# Altium PCB HW_RV_TOUCH_R1M1.PcbDoc (part 1 of 5) (continued)
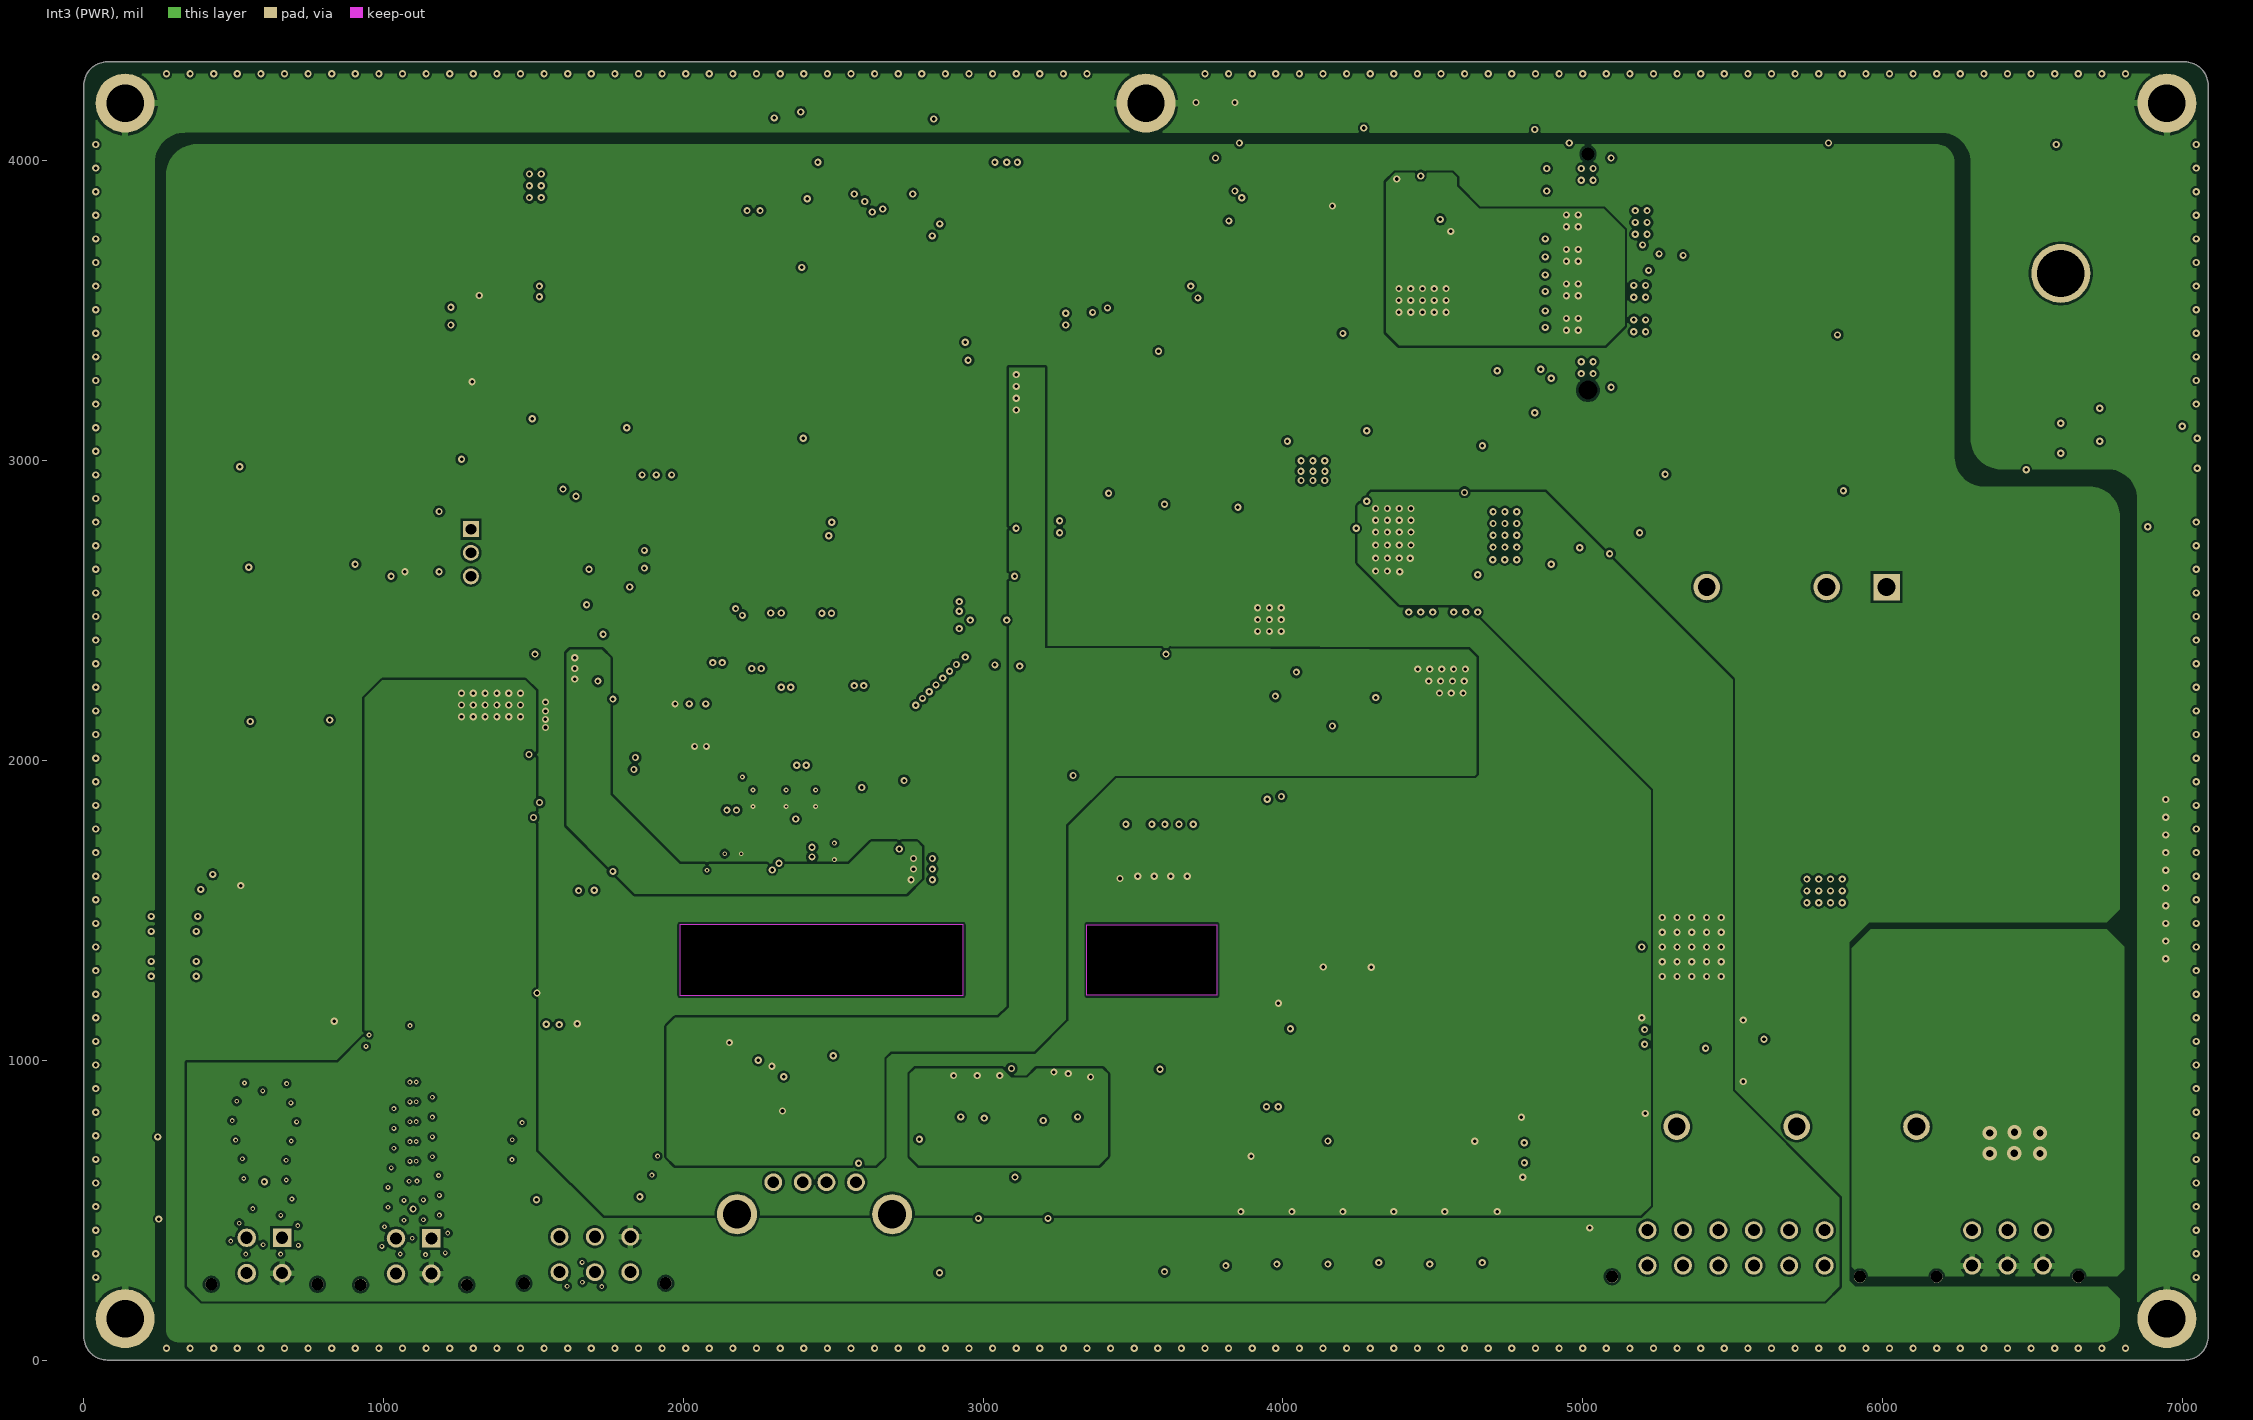
[diagram p4: Int3 (PWR)]
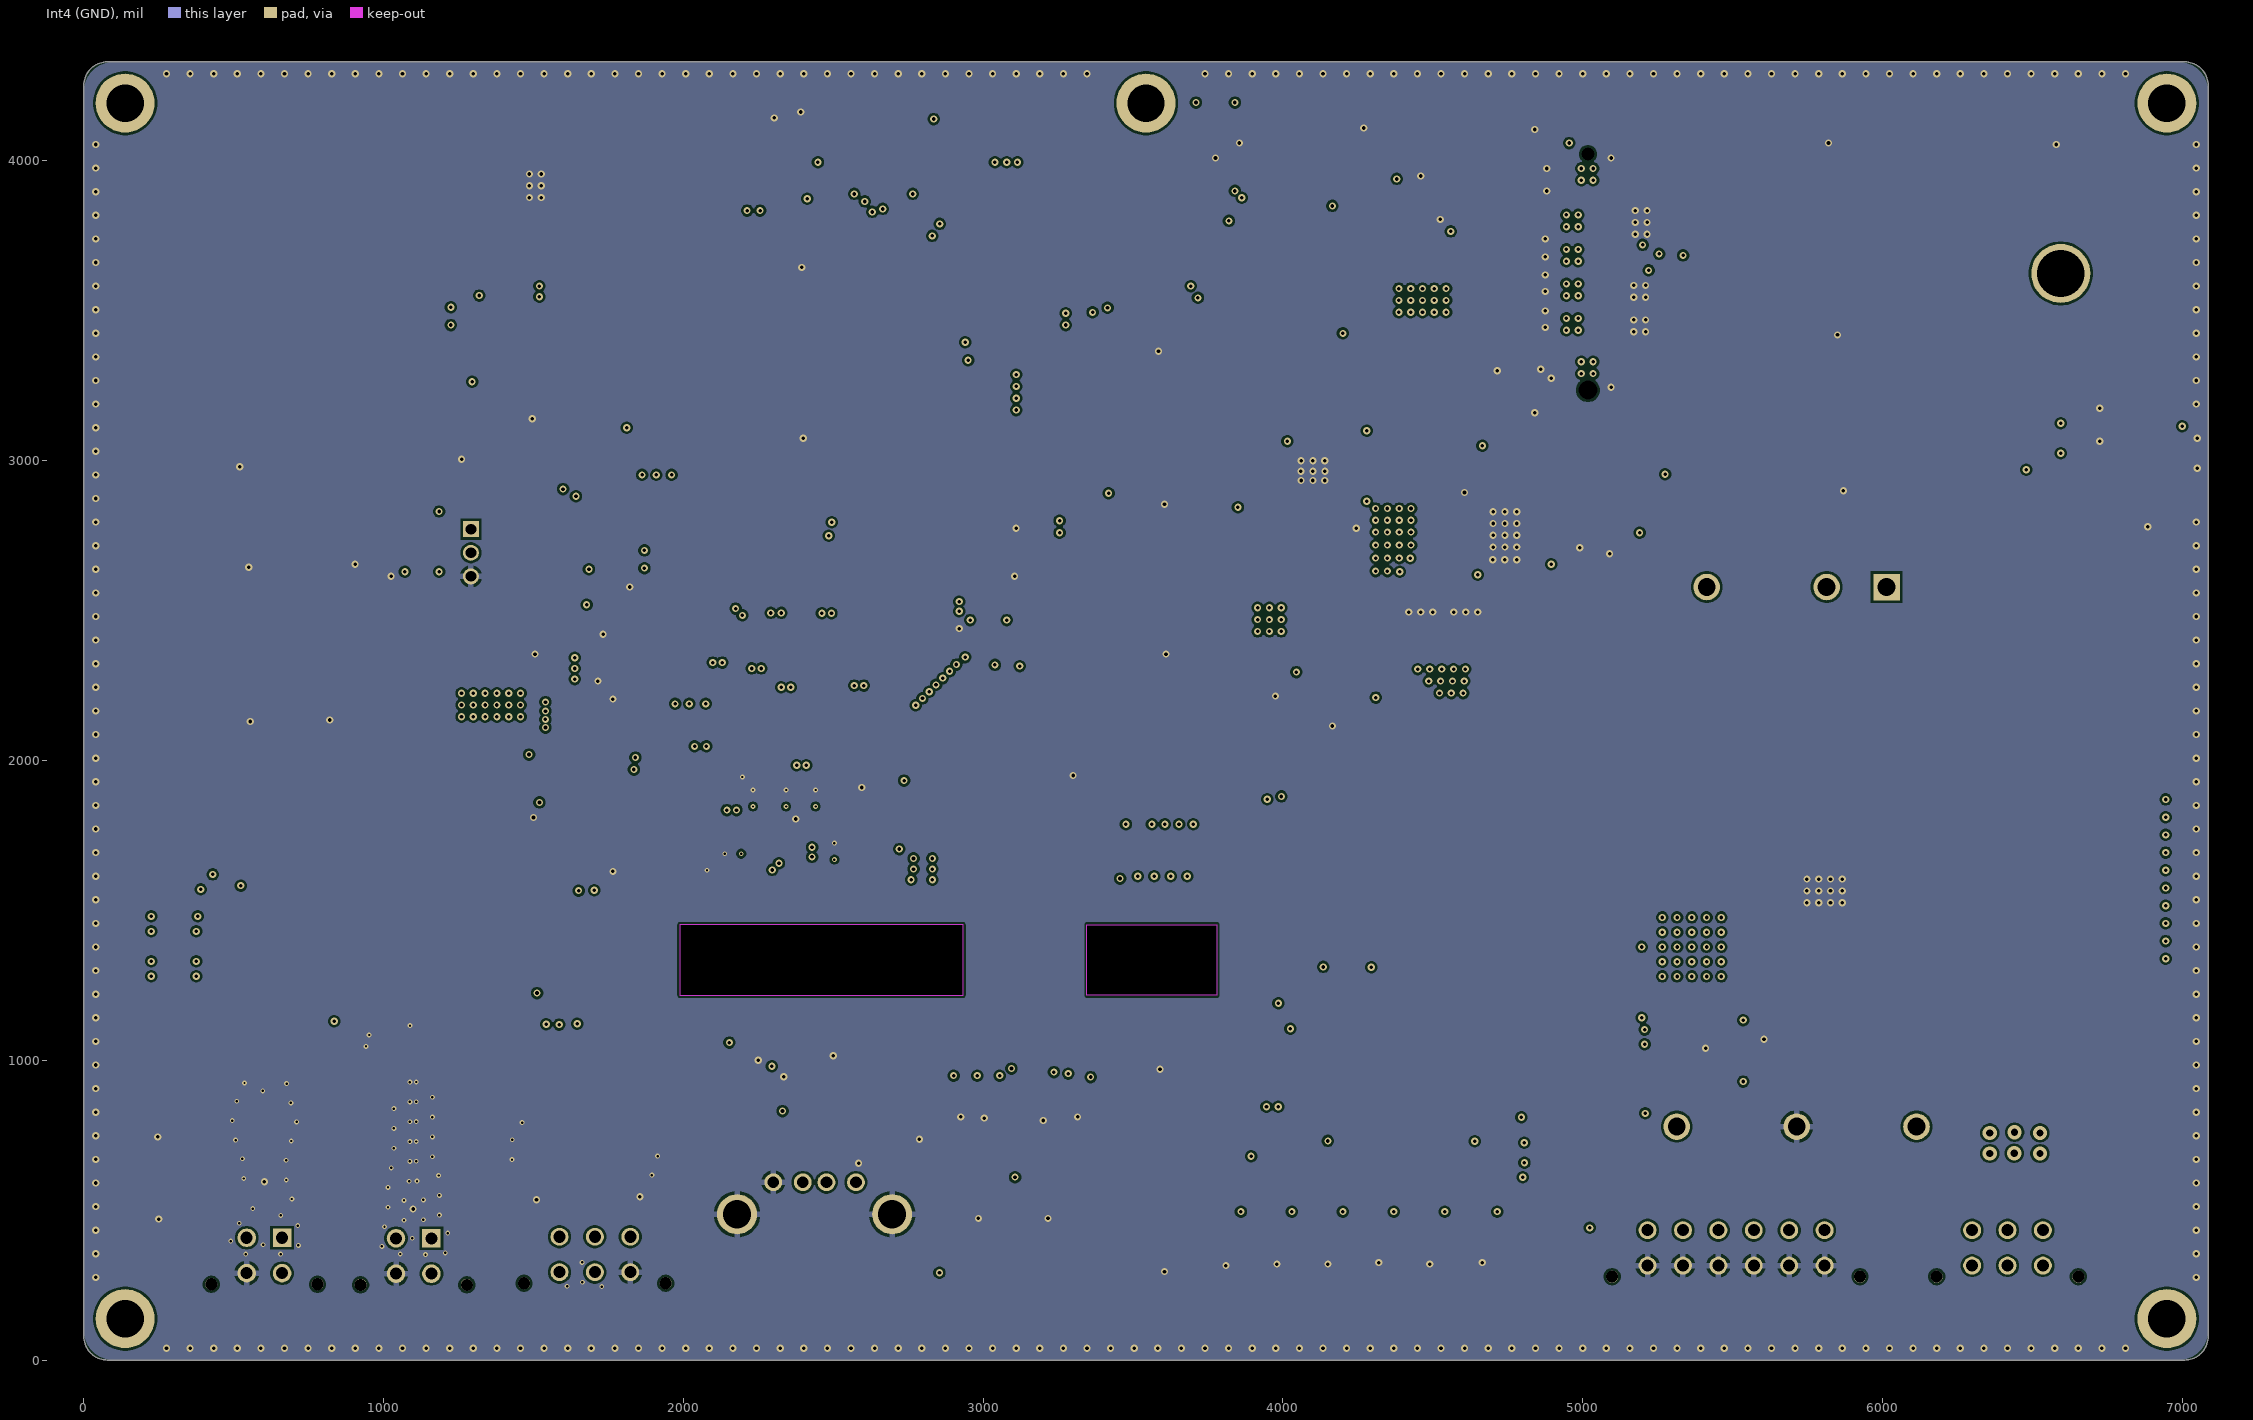
[diagram p5: Int4 (GND)]

## Layer stack, top to bottom
Top Solder: solder mask 1, SM-001, Dk 4
Top Layer: signal copper 1.378
Dielectric 1: prepreg 3.221, PP-017, Dk 3.91
Int1 (GND): signal copper 1.378
Dielectric 2: core 28.74, PP-006, Dk 4.6
Int2 (Sig): signal copper 1.378
Dielectric 3: core 5.126, Core-039, Dk 4.16
Int3 (PWR): signal copper 1.378
Dielectric 4: core 28.74, PP-006, Dk 4.6
Int4 (GND): signal copper 1.378
Dielectric 5: prepreg 3.221, PP-017, Dk 3.91
Bottom Layer: signal copper 1.378
Bottom Solder: solder mask 1, SM-001, Dk 4

## Board outline
78.74,0 cw(c78.74,78.74) 0,78.74 0,4251.97 cw(c78.74,4251.97) 78.74,4330.71 7007.87,4330.71 cw(c7007.88,4251.97) 7086.61,4251.97 7086.61,78.74 cw(c7007.87,78.74) 7007.87,0
cut-out: 3346.46,1216.54 3346.46,1452.76 3779.53,1452.76 3779.53,1216.54
cut-out: 1988.19,1216.54 2933.07,1216.54 2933.07,1452.76 1988.19,1452.76

## Design rules (kind name [scope] priority, off if disabled: settings)
Clearance [All] p1: gap=8 ignorepadtopadclearanceinfootprint=FALSE except(0.04: Text-Text Text-Hole; 4: Arc-Arc Arc-Track Arc-SMDPad Arc-THPad Arc-Via Arc-Text Arc-Hole Track-Track Track-SMDPad Track-THPad Track-Via Track-Text Track-Hole SMDPad-SMDPad SMDPad-THPad SMDPad-Via SMDPad-Text SMDPad-Hole; 20: Arc-Fill Arc-Poly Arc-Region Track-Fill Track-Poly Track-Region)
DiffPairsRouting DiffPair_90DiffPairsRouting [InDifferentialPairClass('ZDIFF90')] p1: maxlimit=5.1 minlimit=5.1 mostfreqgap=5.1 toplayer_minwidth=4.7 toplayer_maxwidth=4.7 toplayer_prefwidth=4.7 midlayer1_minwidth=4.7 midlayer1_maxwidth=4.7 midlayer1_prefwidth=4.7 midlayer2_minwidth=4.7 midlayer2_maxwidth=4.7 midlayer2_prefwidth=4.7 midlayer3_minwidth=4.7 midlayer3_maxwidth=4.7 midlayer3_prefwidth=4.7 midlayer4_minwidth=4.7 midlayer4_maxwidth=4.7 midlayer4_prefwidth=4.7 bottomlayer_minwidth=4.7 bottomlayer_maxwidth=4.7 bottomlayer_prefwidth=4.7 impedanceprofiledriven=TRUE impedanceprofileid={32D849D4-4BF1-459E-901E-6E5A1D867C2A} impedanceprofilevalue=90.000000 maxuncoupledlength=500
DiffPairsRouting DiffPair_100DiffPairsRouting [InDifferentialPairClass('ZDIFF100')] p2: maxlimit=8.6 minlimit=8.6 mostfreqgap=8.6 toplayer_minwidth=4.4 toplayer_maxwidth=4.4 toplayer_prefwidth=4.4 midlayer1_minwidth=4.4 midlayer1_maxwidth=4.4 midlayer1_prefwidth=4.4 midlayer2_minwidth=4.4 midlayer2_maxwidth=4.4 midlayer2_prefwidth=4.4 midlayer3_minwidth=4.4 midlayer3_maxwidth=4.4 midlayer3_prefwidth=4.4 midlayer4_minwidth=4.4 midlayer4_maxwidth=4.4 midlayer4_prefwidth=4.4 bottomlayer_minwidth=4.4 bottomlayer_maxwidth=4.4 bottomlayer_prefwidth=4.4 impedanceprofiledriven=TRUE impedanceprofileid={860E676F-E795-4B15-85AA-D3B7EB854A93} impedanceprofilevalue=100.000000 maxuncoupledlength=500
DiffPairsRouting DiffPair_120DiffPairsRouting [InDifferentialPairClass('ZDIFF120')] p3: maxlimit=20 minlimit=20 mostfreqgap=20 toplayer_minwidth=4 toplayer_maxwidth=4 toplayer_prefwidth=4 midlayer1_minwidth=4 midlayer1_maxwidth=4 midlayer1_prefwidth=4 midlayer2_minwidth=4 midlayer2_maxwidth=4 midlayer2_prefwidth=4 midlayer3_minwidth=4 midlayer3_maxwidth=4 midlayer3_prefwidth=4 midlayer4_minwidth=4 midlayer4_maxwidth=4 midlayer4_prefwidth=4 bottomlayer_minwidth=4 bottomlayer_maxwidth=4 bottomlayer_prefwidth=4 impedanceprofiledriven=TRUE impedanceprofileid={5FB246FD-1FF2-4CBD-8695-EAA331266947} impedanceprofilevalue=120.000000 maxuncoupledlength=500
HoleSize [All] p1: absolutevalues=TRUE maxlimit=157.48 minlimit=1 maxpercent=80.000 minpercent=20.000
HoleToHoleClearance [All] p1: gap=8.07 allowstackedmicrovias=TRUE
MatchedLengths SD_CARD_Lenght_Match [InNetClass('SD_CARD')] p1: tolerance=50 checknetsindiffpair=FALSE checkdiffpairvsdiffpair=TRUE checkxsignals=TRUE checkothers=TRUE
MatchedLengths "Schematic Matched Net Lengths_2" [InNet('RST1')] p2: tolerance=20 checknetsindiffpair=FALSE checkdiffpairvsdiffpair=TRUE checkxsignals=TRUE checkothers=TRUE
MatchedLengths "Schematic Matched Net Lengths_1" [InNet('DAT1')] p3: tolerance=20 checknetsindiffpair=FALSE checkdiffpairvsdiffpair=TRUE checkxsignals=TRUE checkothers=TRUE
MatchedLengths "Schematic Matched Net Lengths" [InNet('CLK1')] p4: tolerance=20 checknetsindiffpair=FALSE checkdiffpairvsdiffpair=TRUE checkxsignals=TRUE checkothers=TRUE
MatchedLengths [InNetClass('SIM')] p5: tolerance=20 checknetsindiffpair=FALSE checkdiffpairvsdiffpair=TRUE checkxsignals=TRUE checkothers=TRUE
MatchedLengths DiffPair_90MatchedLengths [InDifferentialPairClass('ZDIFF90')] p6: tolerance=3600 checknetsindiffpair=FALSE checkdiffpairvsdiffpair=TRUE checkxsignals=TRUE checkothers=TRUE
MatchedLengths DiffPair_100MatchedLengths [InDifferentialPairClass('ZDIFF100')] p7: tolerance=1500 checknetsindiffpair=FALSE checkdiffpairvsdiffpair=TRUE checkxsignals=TRUE checkothers=TRUE
MatchedLengths DiffPair_120MatchedLengths [InDifferentialPairClass('ZDIFF120')] p8: tolerance=1500 checknetsindiffpair=FALSE checkdiffpairvsdiffpair=TRUE checkxsignals=TRUE checkothers=TRUE
MinimumSolderMaskSliver [All] p1: minsoldermaskwidth=0.04
PolygonConnect [All] p1: thpad.connectstyle=Relief thpad.reliefconductorwidth=20 thpad.reliefentries=4 thpad.polygonreliefangle="90 Angle" thpad.airgapwidth=10 smdpad.connectstyle=Relief smdpad.reliefconductorwidth=20 smdpad.reliefentries=4 smdpad.polygonreliefangle="90 Angle" smdpad.airgapwidth=10 via.connectstyle=Direct via.reliefconductorwidth=10 via.reliefentries=4 via.polygonreliefangle="90 Angle" via.airgapwidth=10
RoutingVias [All] p1: holewidth=12.01 width=24.02 viastyle="Through Hole" minholewidth=8.07 minwidth=16.14 maxholewidth=24.02 maxwidth=47.24
SilkToSilkClearance [All] p1: silktosilkclearance=0
SilkToSolderMaskClearance [IsPad] p1: minsilkscreentomaskgap=0 clearancetoexposedcopper=TRUE
SolderMaskExpansion [All] p1: expansion=4 istentingtop=FALSE
SupplyNets "Schematic Supply Nets_16" [InNet('GND')] p1: voltage=0.000
SupplyNets "Schematic Supply Nets_15" [InNet('GND_IN')] p2: voltage=0.000
SupplyNets "Schematic Supply Nets_13" [InNet('+12V')] p3: voltage=0.000
SupplyNets "Schematic Supply Nets_12" [InNet('VIN')] p4: voltage=0.000
SupplyNets "Schematic Supply Nets_11" [InNet('+3V3')] p5: voltage=0.000
SupplyNets "Schematic Supply Nets_10" [InNet('VDD_SOM')] p6: voltage=0.000
SupplyNets "Schematic Supply Nets_9" [InNet('SHUNT_A')] p7: voltage=0.000
SupplyNets "Schematic Supply Nets_8" [InNet('+5V0')] p8: voltage=0.000
SupplyNets "Schematic Supply Nets_7" [InNet('VIN_F')] p9: voltage=0.000
SupplyNets "Schematic Supply Nets_6" [InNet('VCC_GSM')] p10: voltage=0.000
SupplyNets "Schematic Supply Nets_5" [InNet('CHS_GND')] p11: voltage=0.000
SupplyNets "Schematic Supply Nets_4" [InNet('SOM_3V3OUT')] p12: voltage=0.000
SupplyNets "Schematic Supply Nets_3" [InNet('VCC_USB_HOST')] p13: voltage=0.000
SupplyNets "Schematic Supply Nets_2" [InNet('AGND')] p14: voltage=0.000
Width [All] p1: maxlimit=31.5 minlimit=4 preferedwidth=8
24 further rules are at their usual default settings.

## Classes and differential pairs
component class 18_GPS_Interface: P1 P2 R17 R72 R104 R106 R108 R110
net class RS422: RS422_RX_N RS422_RX_P RS422_TX_N RS422_TX_P
net class RADAR: RADAR_RX RADAR_TX
net class 232_UART: 232_UART_RX 232_UART_TX
net class GSM: 4G_USB_N 4G_USB_P
net class SIM: CLK1 DAT1 RST1 VSIM1
net class RS232: RS232_RX RS232_TX
net class LCD_BACKLIGHT: LCD_LED_ANODE LCD_LED_CATHODE
net class CAN0_C: CAN0_N CAN0_P
net class DEBUG: DBG_UART_RX DBG_UART_TX
net class SD_CARD: SDC0-CLK SDC0-CMD SDC0-D0 SDC0-D1 SDC0-D2 SDC0-D3
differential pair class ZDIFF120: CAN0 RS422_RX RS422_TX RS485
differential pair class ZDIFF100: LVDS0_CLK LVDS0_D0 LVDS0_D1 LVDS0_D2 LVDS0_D3 RS422
differential pair class ZDIFF90: 4G_USB 4G_USB1 H_USBA_HOST_D USBA_HOST_D
net class USBA_HOST: USBA_HOST_D_N USBA_HOST_D_P
net class H_USBA_HOST: H_USBA_HOST_D_N H_USBA_HOST_D_P
net class STD_LVDS: LVDS0_CLK_N LVDS0_CLK_P LVDS0_D0_N LVDS0_D0_P LVDS0_D1_N LVDS0_D1_P LVDS0_D2_N LVDS0_D2_P LVDS0_D3_N LVDS0_D3_P
net class CAN0: CAN0_RX CAN0_TX
differential pair 4G_USB1: +4G_USB1_P -4G_USB1_N
differential pair RS422_TX: +RS422_TX_P -RS422_TX_N
differential pair RS422_RX: +RS422_RX_P -RS422_RX_N
differential pair 4G_USB: +4G_USB_P -4G_USB_N
differential pair USBA_HOST_D: +USBA_HOST_D_P -USBA_HOST_D_N
differential pair LVDS0_D3: +LVDS0_D3_P -LVDS0_D3_N
differential pair LVDS0_D2: +LVDS0_D2_P -LVDS0_D2_N
differential pair LVDS0_D1: +LVDS0_D1_P -LVDS0_D1_N
differential pair LVDS0_D0: +LVDS0_D0_P -LVDS0_D0_N
differential pair LVDS0_CLK: +LVDS0_CLK_P -LVDS0_CLK_N
differential pair H_USBA_HOST_D: +H_USBA_HOST_D_P -H_USBA_HOST_D_N
differential pair CAN0: +CAN0_P -CAN0_N

## Components (designator, comment, footprint, x,y, rotation, side; value= is the part's Value field where it differs from the comment)
BAT1 "BU2032SM-G" BAT_BU2032SM-G 767.72,3572.83 r90 bottom
C1 "6800pF" CAPC3225X280N 6013.78,1702.76 r270 top
C2 "CAP CER 4700PF 2KV X7R 1812" CAP1812 6862.2,1366.14 r0 bottom value="4700pF 2kV"
C3 "CAP CER 4700PF 2KV X7R 1812" CAP1812 6866.14,1884.48 r0 bottom value="4700pF 2kV"
C4 "CAP CER 0.1UF 100V X7R 0805" SMC0805 6629.92,1264.4 r0 bottom value="100nF 100V"
C5 "CAP CER 4.7UF 100V X7S 1210" CAP1210 6629.92,1156.13 r0 bottom value="4.7uF 100V"
C6 "10µF" "CAP 1206_3216 - 1.8MM" 6624.02,2775.59 r0 bottom
C7 "CAP CER 4.7UF 100V X7S 1210" CAP1210 6620.08,1884.48 r0 bottom value="4.7uF 100V"
C8 "6800 pF" CAPC3225X280N 5816.93,1702.76 r270 top
C9 "CAP CER 4700PF 2KV X7R 1812" CAP1812 6381.89,1366.14 r0 bottom value="4700pF 2kV"
C10 "CAP CER 4700PF 2KV X7R 1812" CAP1812 6374.02,1884.48 r0 bottom value="4700pF 2kV"
C11 "CAP CER 0.1UF 50V X7R 0603" SMC0603 5545.34,1068.23 r0 top value="0.1uF 50V"
C12 "0.1 µF" CAP0402(1005)X0.5 4280,3054.68 r270 bottom
C13 "0.1 µF" CAP0402(1005)X0.5 4600,2620 r180 bottom
C14 "CAP CER 0.1UF 50V X7R 0603" SMC0603 5594.55,989.49 r270 top value="0.1uF 50V"
C15 "GRM31CR71H475KA12L" CAPC3216X180N 4490,2660 r90 bottom
C16 "47 uF" FP-GRM32E-0_3-0_2-IPC_C 4460,2398.64 r90 bottom
C17 "47 uF" FP-GRM32E-0_3-0_2-IPC_C 4610,2398.64 r90 bottom
C18 "GRM31CR71H475KA12L" CAPC3216X180N 4365,3000 r270 bottom
C19 "47 uF" FP-GRM32E-0_3-0_2-IPC_C 4370,3390 r270 bottom
C20 "6.8 pF" CAP0603 4940,2740 r90 bottom
C21 "47 uF" FP-GRM32E-0_3-0_2-IPC_C 4525,3390 r270 bottom
C22 "5.1nF" FP-C0603C-CF-MFG 5090,2750 r270 bottom value="5,100 pF"
C23 "6.8 pF" CAP0603 3911.38,2968.27 r270 bottom
C24 "6.8nF" CAPC1608X90X35NL10T15 3765,2955 r270 bottom
C30 "22 µF" CAP1206 4095,2355 r180 bottom
C31 "0.1 µF" "CAP 0603_1608" 1572.83,1243.31 r90 bottom
C32 "CAP CER 10UF 10V X7R 1206" SMC1206 1915.46,2122.05 r0 bottom value="10uF 10V"
C33 "CAP CER 0.1UF 50V X7R 0603" SMC0603 1915.46,2055.12 r0 bottom value="0.1uF 50V"
C34 "CAP CER 10UF 25V X5R 0805" SMC0805 582.68,1515.75 r0 bottom value="10uF 25V"
C35 "CAP CER 0.1UF 50V X7R 0603" SMC0603 594.49,1448.82 r0 bottom value="0.1uF 50V"
C36 "CAP CER 100PF 50V C0G/NP0 0603" SMC0603 515.75,555.12 r0 bottom value="100pF 50V"
C37 "CAP CER 100PF 50V C0G/NP0 0603" SMC0603 688.98,555.12 r180 bottom value="100pF 50V"
C38 "CAP CER 10UF 10V X5R 0603" SMC0603 2122.65,1019.3 r0 bottom value="10uF 10V"
C39 "CAP CER 10UF 10V X5R 0603" SMC0603 2206.31,730.82 r0 bottom value="10uF 10V"
C40 "CAP CER 0.1UF 50V X7R 0402" CAP0402(1005)X0.5 2206.31,679.63 r0 bottom value="0.1uF 50V"
C41 "22 µF" "CAP ALSMD 6.6MM H5.4MM" 1191.93,1995.35 r180 top
C42 "22 µF" "CAP ALSMD 6.6MM H5.4MM" 1707.68,1298.5 r0 top
C43 "CAP CER 10000PF 50V X7R 0603" SMC0603 1676.18,1965.83 r0 top value="10nF 50V"
C44 "CAP CER 47PF 50V C0G/NPO 0603" SMC0603 1644.69,1883.15 r270 top value="47pF 50V"
C45 "CAP CER 100PF 50V C0G/NP0 0603" SMC0603 1774.61,1812.28 r90 top value="100pF 50V"
C46 "CAP CER 1UF 25V X5R 0603" SMC0603 1500.98,1750 r270 top value="1uF 25V"
C47 "CAP CER 100PF 50V C0G/NP0 0603" SMC0603 1408.46,1518.98 r270 top value="100pF 50V"
C48 "0.1 µF" "CAP 0402_1005" 1393.7,3362.2 r180 bottom
C49 "0.1µF" "CAP 0603_1608" 3255.91,3937.01 r270 bottom
C50 "0.1 µF" "CAP 0603_1608" 3141.73,854.33 r180 bottom
C51 "10 µF" "CAP 0603_1608" 3141.73,917.32 r180 bottom
C52 "0.1 µF" "CAP 0603_1608" 3082.68,3342.52 r0 top
C53 "10 µF" "CAP 0603_1608" 3082.68,3409.45 r0 top
C54 "10 µF" "CAP 0603_1608" 3082.68,3476.38 r0 top
C55 "0.1 µF" "CAP 0603_1608" 3084.65,3655.51 r180 top
C56 "10 µF" "CAP 0603_1608" 3084.65,3726.38 r180 top
C57 "10 µF" "CAP 0603_1608" 3082.68,3799.21 r180 top
C58 "4.7 µF" "CAP 0603_1608" 2822.83,4086.61 r0 bottom
C59 "0.1 µF" "CAP 0603_1608" 2822.83,4015.75 r0 bottom
C60 "0.1 µF" "CAP 0805_2012" 1309.06,1190.94 r90 bottom
C61 "0.1 µF" "CAP 0805_2012" 1309.06,1043.31 r90 bottom
C62 "0.1 µF" "CAP 0805_2012" 1100.11,1290.02 r180 bottom
C63 "0.1 µF" "CAP 0805_2012" 1309.06,885.83 r270 bottom
C64 "0.1 µF" "CAP 0805_2012" 910,1185 r270 bottom
C65 "100nF" CAP0603 4080,2500 r180 bottom value="100nF 50V"
C66 "1uF" CAP0603 4080,2435 r180 bottom value="1uF 25V"
C67 "10uF" CAP0603 4250,2345 r180 bottom value="10uF 16V"
C68 "68pF" CAP0603 3970,2125 r180 bottom value="68pF 50V"
C69 "0.1uF" FP-GRM15-MFG 5080.75,3370 r180 top value=0.10μF
C70 "6.8pF" FP-C0603C-CF-MFG 4285,2175 r0 bottom value="6.8 pF"
C72 "33 pF" CAP0402(1005)X0.5 5080.75,3330 r180 top
C74 "1000 pF" "CAP 1206_3216 - 0.8MM" 3775,4135 r270 bottom
C75 "33 pF" "CAP 0402_1005" 6660,3125 r180 bottom
C76 "33 pF" "CAP 0402_1005" 6660,3015 r180 bottom
C77 "33 pF" "CAP 0402_1005" 6435,2975 r0 top
C78 "CAP CER 0.1UF 50V X7R 0603" SMC0603 6425,2920 r0 top value="0.1uF 50V"
C79 "33 pF" "CAP 0402_1005" 6945,3085 r0 bottom
C80 "0.1 µF" "CAP 0603_1608" 4675.55,758.27 r270 bottom
C81 "10 µF" "CAP 0603_1608" 4606.65,758.27 r270 bottom
C82 "0.1 µF" "CAP 0603_1608" 3925,1145 r270 bottom
C84 "100uF" FP-C3216-160-0_3-IPC_C 5078.35,3570 r0 top
C85 "100uF" FP-C3216-160-0_3-IPC_C 5078.35,3455 r0 top
C86 "100uF" FP-C3216-160-0_3-IPC_C 5078.35,3800 r0 top
C87 "100uF" FP-C3216-160-0_3-IPC_C 5078.35,3685 r0 top
C88 "33 pF" CAP0402(1005)X0.5 5080.75,3930 r180 top
C89 "0.1uF" FP-GRM15-MFG 5080.75,3885 r180 top value=0.10μF
C90 "10nF" FP-CL165-IPC_C 4735,3315 r270 bottom
C91 "0.1 µF" CAP0603 4663.8,397.68 r90 bottom
C92 "0.1 µF" CAP0603 4493,397.68 r90 bottom
C93 "0.1 µF" CAP0603 4322.2,397.68 r90 bottom
C94 "0.1 µF" CAP0603 4151.4,397.68 r90 bottom
C95 "0.1 µF" CAP0603 3980.6,397.68 r90 bottom
C96 "0.1 µF" CAP0603 3809.8,397.68 r90 bottom
C97 "10pF" FP-CGA2B-MFG 5080.75,3975 r0 top
C98 "10pF" FP-CGA2B-MFG 5080.75,3290 r0 top
D1 "SMCJ58CA-E3/57T" DIOM7959X262N 6641.73,949.44 r0 bottom
D2 "LED GREEN CLEAR SMD" LITE-ON_GREEN_MFG 5070,1500 r270 bottom
D3 "LED GREEN CLEAR SMD" LITE-ON_GREEN_MFG 4268.94,4045 r270 bottom
D4 "SM712-02HTG" LITTELFUSE_SM712_MFG 1535.43,582.68 r270 bottom
D5 "SM712-02HTG" LITTELFUSE_SM712_MFG 1818.9,586.61 r270 bottom
D6 "SON-6(1x1.5) ESD Protection Devices ROHS" NEXPERIA_SOT886_MFG 2503.94,1696.85 r270 top
D7 "SON-6(1x1.5) ESD Protection Devices ROHS" NEXPERIA_SOT886_MFG 2232.28,1874.02 r270 bottom
D8 "SON-6(1x1.5) ESD Protection Devices ROHS" NEXPERIA_SOT886_MFG 2342.52,1874.02 r270 bottom
D9 "SON-6(1x1.5) ESD Protection Devices ROHS" NEXPERIA_SOT886_MFG 2165.35,1688.98 r0 top
D10 "SON-6(1x1.5) ESD Protection Devices ROHS" NEXPERIA_SOT886_MFG 2440.94,1874.02 r270 bottom
D11 "CAN" SOT23_3-DIODE 602.36,645.67 r270 bottom value=2Ch
D12 "LED RED CLEAR SMD" LITE-ON_0_MFG 2092.14,856.8 r90 bottom
D13 "1SS416,L3M" SOD-923-2 1122.05,2582.68 r0 bottom
D14 "B72590D0050H160" SOD1005X60N 1023.62,2669.29 r90 bottom
D15 "B72590D0050H160" SOD1005X60N 1023.62,2795.28 r270 bottom
D16 "DIODE SCHOTTKY 40V 1A SOD323" SOD-323_L1.8-W1.3-LS2.5-RD 1432.09,1298.5 r180 top
D17 "Diode 75 V 200mA Surface Mount SOD-123" SOD-123_L2.8-W1.8-LS3.7-RD 1896.65,1851.65 r90 top
D18 "B72590D0050H160" SOD1005X60N 3322.83,3937.01 r270 bottom
D19 "B72590D0050H160" SOD1005X60N 2809.05,774.29 r0 bottom
D20 "B72590D0050H160" SOD1005X60N 3173.23,749.33 r270 bottom
D21 "B72590D0050H160" SOD1005X60N 3061.02,747.36 r270 bottom
D22 "B72590D0050H160" SOD1005X60N 3287.4,749.33 r270 bottom
D23 "B72590D0050H160" SOD1005X60N 3346.46,749.33 r270 bottom
D24 "B72590D0050H160" SOD1005X60N 2901.57,750 r270 bottom
D25 "B72590D0050H160" SOD1005X60N 2980.31,750 r270 bottom
D26 "PESD12VL2BT,215" NEXPERIA_SOT23_0 1098.43,590.55 r180 bottom
D27 "RF2945-000" FP-SESD0402-MFG 4525,3852.8 r90 bottom value=0.1pF
D28 "RF2945-000" FP-SESD0402-MFG 4525,3935 r270 bottom value=0.1pF
D29 "B72590D0050H160" SOD1005X60N 6940,3140 r0 bottom
D30 "B72590D0050H160" SOD1005X60N 6425,3025 r0 top
D31 "B72590D0050H160" SOD1005X60N 6665.59,3065 r180 bottom
D32 "B72590D0050H160" SOD1005X60N 6665,3175 r180 bottom
D33 "LED RED" LED0805 4251.73,1158.7 r90 bottom
D34 "LED GREEN" LED0805 4172.99,1158.7 r90 bottom
D35 "LED BLUE" LED0805 4094.25,1158.7 r90 bottom
D36 "B560C-13-F" DIOM7959X250N 4880,2490 r180 bottom
D37 "B560C-13-F" DIOM7959X250N 4095,3235 r0 bottom
FB1 "100OHM@100MHz" "FB 0603(1608)" 1946.95,1972.44 r90 bottom
FB2 "100OHM@100MHz" "FB 0603(1608)" 3456.69,1673.23 r90 top
FB3 "FERRITE BEAD 120 OHM 0603 1LN" "FB 0603(1608)" 590.55,1582.68 r0 bottom value=120R@100MHz
FB4 "100OHM@100MHz" "FB 0603(1608)" 3120.08,749.02 r270 bottom
FB5 "100OHM@100MHz" "FB 0603(1608)" 3086.61,3866.14 r180 top
FB6 "FERRITE BEAD 120 OHM 0603 1LN" "FB 0603(1608)" 840,1195 r270 bottom value=120R@100MHz
FB8 "100OHM@100MHz" "FB 0603(1608)" 4518.07,787.8 r0 bottom
FB9 "100OHM@100MHz" "FB 0603(1608)" 1594.49,3917.32 r0 bottom
FL1 "CMC 4A 2LN 700 OHM SMD" TDK_0_MFG 6620.08,1608.89 r90 bottom